# KiCad board Zynq_SoM.kicad_pcb (continued)
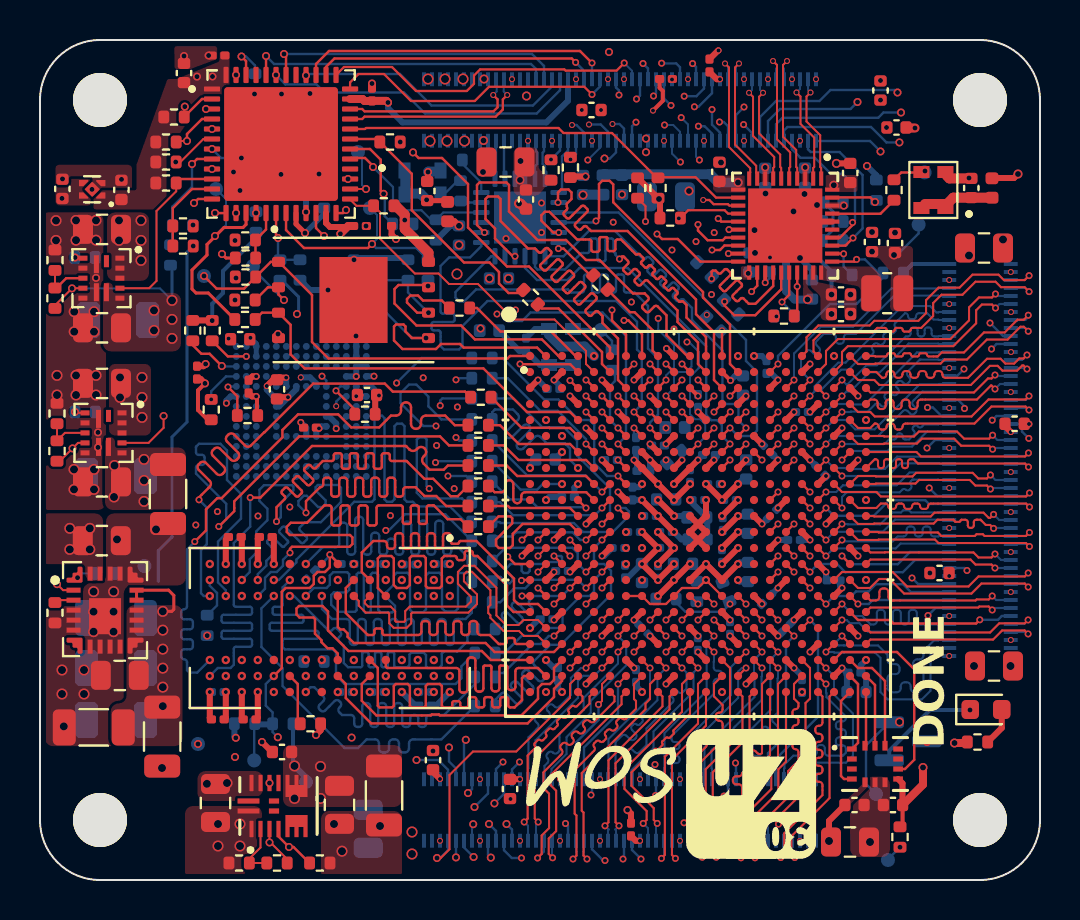
[diagram p0: board, top side]
## Copper pours and planes (outline as drawn; the poured copper is in the pictures) (continued)
GND on L6 (Sig+Pwr): 0.1,0 0.1,15.1 3.2,15.1 3.2,7.4 6.2,4.4 12.5,4.4 12.5,5.8 14.9,5.8 16.7,7.7 20,7.7 20,0
VIN on L1 (Sig): -0.01,15.79 2.25,15.79 2.25,14.95 3.15,14.95 3.15,18.33 -0.01,18.33
VIN on L1 (Sig): 9.85,3.95 9.85,4.15 11.15,4.15 11.15,5.45 7.88,5.45 7.88,3.95
VIN on L1 (Sig): 5.45,33.38 3.35,33.38 3.35,29.95 5.45,29.95
VIN on L1 (Sig): 0.78,33.73 2.6,33.73 2.58,35.06 0.78,35.06
VIN on L1 (Sig): 5.55,25.8 3.45,25.8 3.45,22.22 5.55,22.22
VIN on L8 (Sig): 19.09,36.55 21.74,36.55 21.74,37.36 19.09,37.36
VIN on L8 (Sig): 19.09,39.64 21.74,39.64 21.74,40.45 19.09,40.45
VIN on L3 (Pwr): 0,22.8 0,42 22.2,42 22.2,36.4 14.1,36.4 14.1,29.8 5.7,29.8 5.7,22.8
VIN on L3 (Pwr): 0,18.1 0,0 15.7,0 15.7,18.1
VIN on L4 (Sig+Pwr): 9.9,5.6 9.9,0 0,0.1 0,42 21.7,42 21.7,30.4 9.3,30.4 9,29.6 7.65,29.6 7.7,5.6
/Ethernet PHY/ETH_REG_OUT on L1 (Sig): 38.97,30.67 38.97,30.01 41.03,29.67 41.03,28.42 42.08,28.42 42.07,30.2 41.6,30.67

Small or netless copper shapes (teardrops, artwork), in the pictures only: 8 on L1 (Sig), 5 on L8 (Sig)

## Text on the board
B.Silkscreen: JLCJLCJLCJLC
User.Eco2: SIGNAL | X (mm) | Y (mm) | TP1 / TP3 / TP16 / TP15 / TP8 / TP5 / TP9 / TP14 / TP6 / TP7 / TP2 / TP12 / TP13 / TP10 / TP4 / TP11 | ZYNQ_PL_PROGB / ZYNQ_PL_DONE / +0V675_REF / +1V35 / QSPI_D1/BM1 / ZYNQ_PS_SRST / ZYNQ_BMODE_2 / +1V0 / QSPI_~{CS} / QSPI_D0/BM3 / ZYNQ_PL_INITB / CLK_25MHz / 1V0_ETH / ZYNQ_BMODE_0 / PS_CLK_33MHz / QSPI_CLK | 7.9 / 41.8 / 10.71 / 13.3 / 10.65 / 15.9 / 8.8 / 5.22 / 8.2 / 14.35 / 42.4 / 44.23 / 43.93 / 16.5 / 28.05 / 16.95 | 6.8 / 4.3 / 5.98 / 4.9 / 30.7 / 36.4 / 34.55 / 15.7 / 30.2 / 30.6 / 1 / 35.38 / 32.77 / 33.6 / 27.5 / 30.3
F.Silkscreen: DONE
FAB: Microstrip | Stripline | L4 (L6) | L1 (L8) | 52.7 | 100 | 50 | 90 | Prepreg | Core | B.Silkscreen | B.Paste | B.Mask | 0.1146 | 0.135 | 0.120 | 0.104 | 0.102 | 0.1 | 0.0764 mm | 0.1528 mm | 0.250 | 0.125 | 0.15 | 0.2 mm | 0.2 | L3,L5 (L5,L7) | L2 (L7) | Solder Resist | 1080 RC67% | FR-4 | Solder Mask | Paste Mask | Dielectric | Legend | GBS | GBO | GBP | Material | Layer | Thickness | Epsilon | 3.91 | 4.36 | Type | Gerber | Dielectric / Material | Copper | Layers | Impedance (Ohm) | L4 (Sig+Pwr) | L6 (Sig+Pwr) | Width (mm) | L1 (Sig) | L2 (GND) | L3 (PWR) | L5 (GND) | L7 (GND) | L8 (Sig) | 0.0152mm (0.5oz) | 0.152mm (0.5oz) | Spacing (mm) | 0.035mm (1oz) | Ref. Layers | Internal Plane | Signal | Plane | GTP | GTO | GTS | GTL | GBL | G2 | G3 | G4 | G5 | G6 | G7 | Copper Layer Count: | Board overall dimensions: | Min track/spacing: | Copper Finish: | Castellated pads: | Edge card connectors: | 8 | 50,0000 mm x 42,0000 mm | 0,0900 mm / 0,0900 mm | ENIG | No | Board Thickness: | Min hole diameter: | Impedance Control: | Plated Board Edge: | 1,2396 mm | 0,2000 mm | Yes | BOARD CHARACTERISTICS | Impedance specification | Layer Stack Legend
User.8: TP?? / TP?? / TP?? / TP?? | ?? / ?? / ?? / ?? | Ref. | Net | X [mm] | Y [mm]
